# KiCad board Eclipse60 - Copy.kicad_pcb (continued)
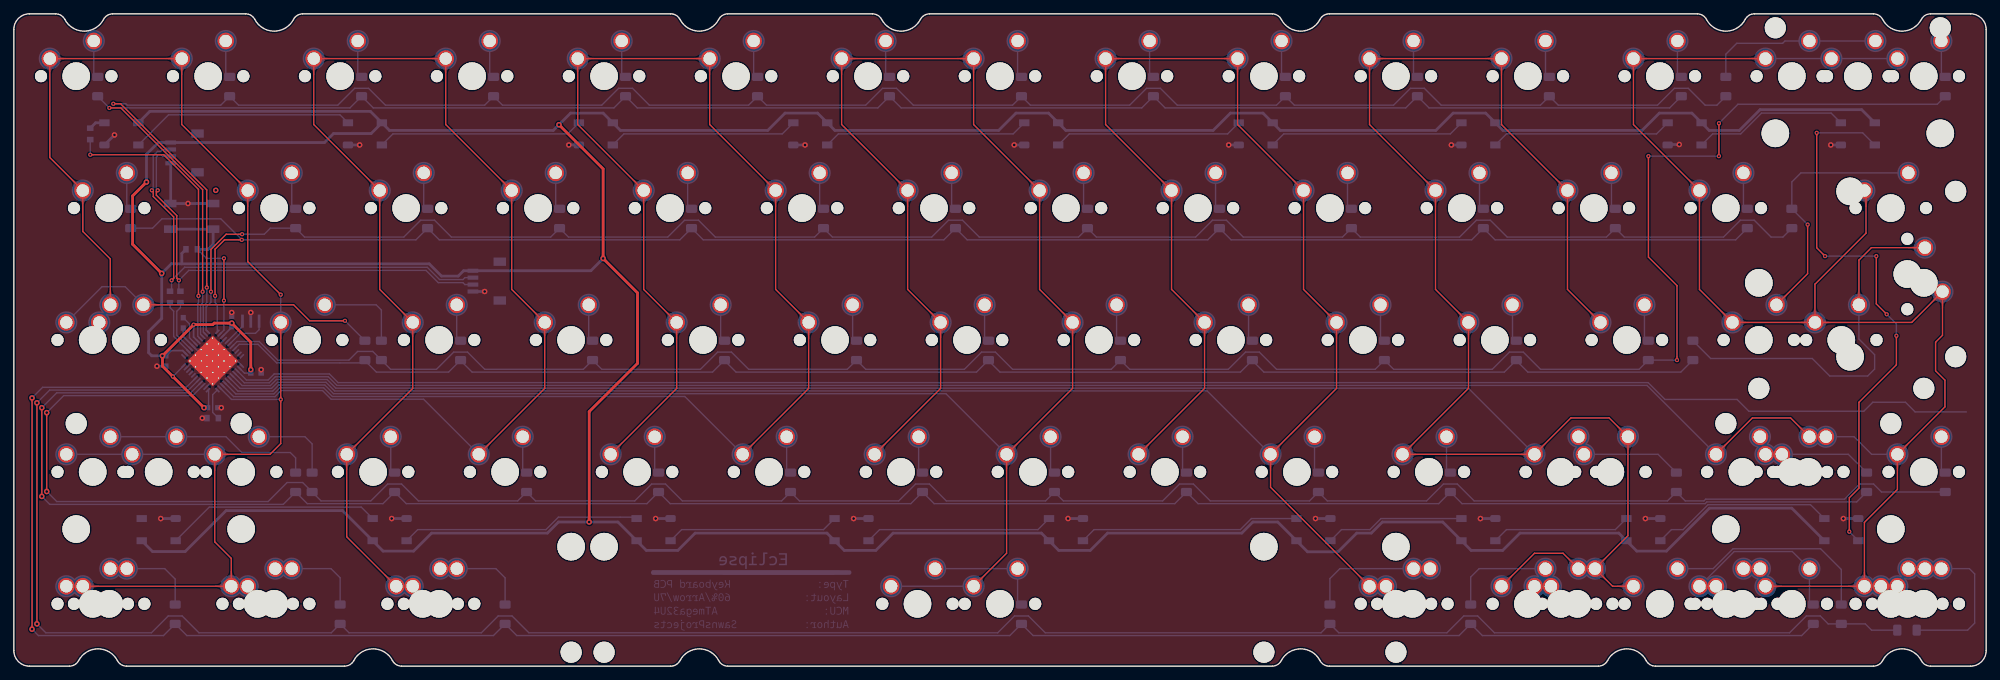
[diagram p0: board, top side]
## Copper pours and planes (outline as drawn; the poured copper is in the pictures) (continued)
Net-(D71-Pad2) on Bottom: 244.93,13.3 244.86,13.23 244.79,13.17 244.72,13.11 244.65,13.06 244.59,13.02 244.52,12.98 244.46,12.95 244.4,12.92 244.34,12.89 244.28,12.88 244.22,12.86 244.16,12.85 244.1,12.84 244.04,12.83 243.47,12.79 243.4,12.79 243.33,12.78 243.25,12.76 243.17,12.75 243.09,12.73 243.01,12.7 242.92,12.67 242.89,11.12 244.45,11.15 244.48,11.23 244.5,11.32 244.52,11.4 244.54,11.48 244.55,11.55 244.56,11.62 244.57,11.7 244.6,12.27 244.61,12.32 244.62,12.38 244.63,12.44 244.65,12.5 244.67,12.56 244.69,12.62 244.72,12.69 244.75,12.75 244.79,12.81 244.84,12.88 244.89,12.95 244.94,13.01 245,13.09 245.08,13.16
Net-(D71-Pad2) on Bottom: 259.29,11.69 259.29,11.79 259.3,11.89 259.31,11.98 259.32,12.06 259.33,12.14 259.35,12.21 259.37,12.28 259.4,12.34 259.42,12.4 259.45,12.45 259.48,12.51 259.52,12.56 259.55,12.61 259.59,12.66 259.97,13.08 260.01,13.14 260.06,13.2 260.1,13.26 260.14,13.33 260.19,13.4 260.23,13.48 260.27,13.56 259.19,14.68 258.11,13.56 258.15,13.48 258.19,13.4 258.24,13.33 258.28,13.26 258.32,13.2 258.37,13.14 258.41,13.08 258.79,12.66 258.83,12.61 258.86,12.56 258.9,12.51 258.93,12.45 258.96,12.4 258.98,12.34 259.01,12.28 259.03,12.21 259.05,12.14 259.06,12.06 259.07,11.98 259.08,11.89 259.09,11.79 259.09,11.69
Net-(D71-Pad2) on Bottom: 257.43,15.7 257.5,15.63 257.56,15.55 257.62,15.49 257.67,15.42 257.71,15.35 257.75,15.29 257.78,15.23 257.81,15.16 257.84,15.1 257.85,15.04 257.87,14.98 257.88,14.92 257.89,14.86 257.9,14.81 257.94,14.24 257.94,14.16 257.95,14.09 257.97,14.02 257.98,13.94 258,13.86 258.03,13.77 258.06,13.69 259.61,13.66 259.58,15.21 259.5,15.24 259.41,15.27 259.33,15.29 259.25,15.3 259.18,15.32 259.11,15.33 259.03,15.33 258.46,15.37 258.41,15.38 258.35,15.39 258.29,15.4 258.23,15.42 258.17,15.43 258.11,15.46 258.04,15.49 257.98,15.52 257.92,15.56 257.85,15.6 257.78,15.65 257.72,15.71 257.64,15.77 257.57,15.84
Net-(D71-Pad2) on Bottom: 245.5,13.87 245.4,13.77 245.31,13.69 245.21,13.61 245.12,13.55 245.03,13.49 244.95,13.44 244.86,13.39 244.78,13.36 244.7,13.33 244.62,13.3 244.54,13.28 244.46,13.27 244.38,13.25 244.3,13.25 244.22,13.24 244.14,13.23 243.71,13.22 243.62,13.22 243.53,13.21 243.43,13.2 243.34,13.19 243.23,13.17 243.13,13.15 243.02,13.12 242.91,13.09 242.79,13.05 242.75,10.97 244.83,11.01 244.86,11.13 244.9,11.25 244.92,11.35 244.94,11.46 244.96,11.56 244.97,11.66 244.98,11.75 244.99,11.85 245,11.94 245.01,12.36 245.01,12.44 245.02,12.52 245.03,12.6 245.04,12.68 245.06,12.76 245.08,12.84 245.1,12.92 245.13,13.01 245.17,13.09 245.21,13.17 245.26,13.26 245.32,13.35 245.39,13.44 245.46,13.53 245.55,13.63 245.64,13.72
Net-(D71-Pad2) on Bottom: 256.86,16.26 256.96,16.17 257.04,16.07 257.12,15.98 257.18,15.89 257.24,15.8 257.29,15.71 257.34,15.63 257.37,15.55 257.4,15.46 257.43,15.38 257.45,15.3 257.46,15.22 257.48,15.14 257.48,15.06 257.49,14.98 257.5,14.9 257.51,14.48 257.51,14.39 257.52,14.29 257.53,14.2 257.54,14.1 257.56,14 257.58,13.89 257.61,13.79 257.64,13.67 257.68,13.55 259.76,13.51 259.72,15.59 259.6,15.63 259.48,15.66 259.38,15.69 259.27,15.71 259.17,15.73 259.07,15.74 258.98,15.75 258.88,15.76 258.79,15.76 258.37,15.77 258.29,15.78 258.21,15.79 258.13,15.79 258.05,15.81 257.97,15.82 257.89,15.84 257.81,15.87 257.72,15.9 257.64,15.93 257.56,15.98 257.47,16.03 257.38,16.09 257.29,16.15 257.2,16.23 257.1,16.31 257.01,16.41
Net-(D71-Pad2) on Bottom: 259.29,10.89 259.29,11.03 259.3,11.15 259.31,11.27 259.33,11.38 259.35,11.49 259.38,11.58 259.41,11.67 259.44,11.76 259.48,11.84 259.51,11.91 259.56,11.98 259.6,12.05 259.65,12.12 259.7,12.18 259.75,12.24 259.81,12.3 260.1,12.61 260.16,12.68 260.22,12.75 260.28,12.82 260.34,12.9 260.4,12.99 260.46,13.07 260.52,13.17 260.57,13.27 260.63,13.38 259.19,14.88 257.75,13.38 257.81,13.27 257.86,13.17 257.92,13.07 257.98,12.99 258.04,12.9 258.1,12.82 258.16,12.75 258.22,12.68 258.28,12.61 258.57,12.3 258.63,12.24 258.68,12.18 258.73,12.12 258.78,12.05 258.82,11.98 258.87,11.91 258.9,11.84 258.94,11.76 258.97,11.67 259,11.58 259.03,11.49 259.05,11.38 259.07,11.27 259.08,11.15 259.09,11.03 259.09,10.89
Net-(D72-Pad2) on Bottom: 280.63,14.18 280.53,14.18 280.43,14.19 280.34,14.2 280.26,14.21 280.18,14.22 280.11,14.24 280.04,14.26 279.98,14.29 279.92,14.31 279.87,14.34 279.81,14.37 279.76,14.41 279.71,14.44 279.66,14.48 279.24,14.86 279.18,14.9 279.12,14.95 279.06,14.99 278.99,15.03 278.92,15.08 278.84,15.12 278.76,15.16 277.64,14.08 278.76,13 278.84,13.04 278.92,13.08 278.99,13.13 279.06,13.17 279.12,13.21 279.18,13.26 279.24,13.3 279.66,13.68 279.71,13.72 279.76,13.75 279.81,13.79 279.87,13.82 279.92,13.85 279.98,13.87 280.04,13.9 280.11,13.92 280.18,13.94 280.26,13.95 280.34,13.96 280.43,13.97 280.53,13.98 280.63,13.98
Net-(D72-Pad2) on Bottom: 281.43,14.18 281.29,14.18 281.17,14.19 281.05,14.2 280.94,14.22 280.83,14.24 280.74,14.27 280.65,14.3 280.56,14.33 280.48,14.37 280.41,14.4 280.34,14.45 280.27,14.49 280.2,14.54 280.14,14.59 280.08,14.64 280.02,14.7 279.71,14.99 279.64,15.05 279.57,15.11 279.5,15.17 279.42,15.23 279.33,15.29 279.25,15.35 279.15,15.41 279.05,15.46 278.94,15.52 277.44,14.08 278.94,12.64 279.05,12.7 279.15,12.75 279.25,12.81 279.33,12.87 279.42,12.93 279.5,12.99 279.57,13.05 279.64,13.11 279.71,13.17 280.02,13.46 280.08,13.52 280.14,13.57 280.2,13.62 280.27,13.67 280.34,13.71 280.41,13.76 280.48,13.79 280.56,13.83 280.65,13.86 280.74,13.89 280.83,13.92 280.94,13.94 281.05,13.96 281.17,13.97 281.29,13.98 281.43,13.98
Net-(D72-Pad2) on Bottom: 275.87,5.3 274.94,5.74 274.38,5.2 274.94,4.66 275.87,5.1
Net-(R4-Pad2) on Bottom: 28.97,62.02 29.26,62.87 28.77,63.38 28.27,62.87 28.57,62.02
Net-(R4-Pad2) on Bottom: 27.68,62.91 28.53,62.61 29.04,63.11 28.53,63.6 27.68,63.31
Net-(R4-Pad2) on Bottom: 23.66,63.31 22.81,63.6 22.29,63.11 22.81,62.61 23.66,62.91
Net-(RGB14-Pad4) on Bottom: 184.15,21.22 184.93,20.87 185.39,21.32 184.93,21.77 184.15,21.42
Net-(RGB15-Pad4) on Bottom: 207.97,21.22 208.74,20.87 209.21,21.32 208.74,21.77 207.97,21.42

Small or netless copper shapes (teardrops, artwork), in the pictures only: 55 on Top, 245 on Bottom
